# KiCad board ILI9341_ESP32_V1.kicad_pcb
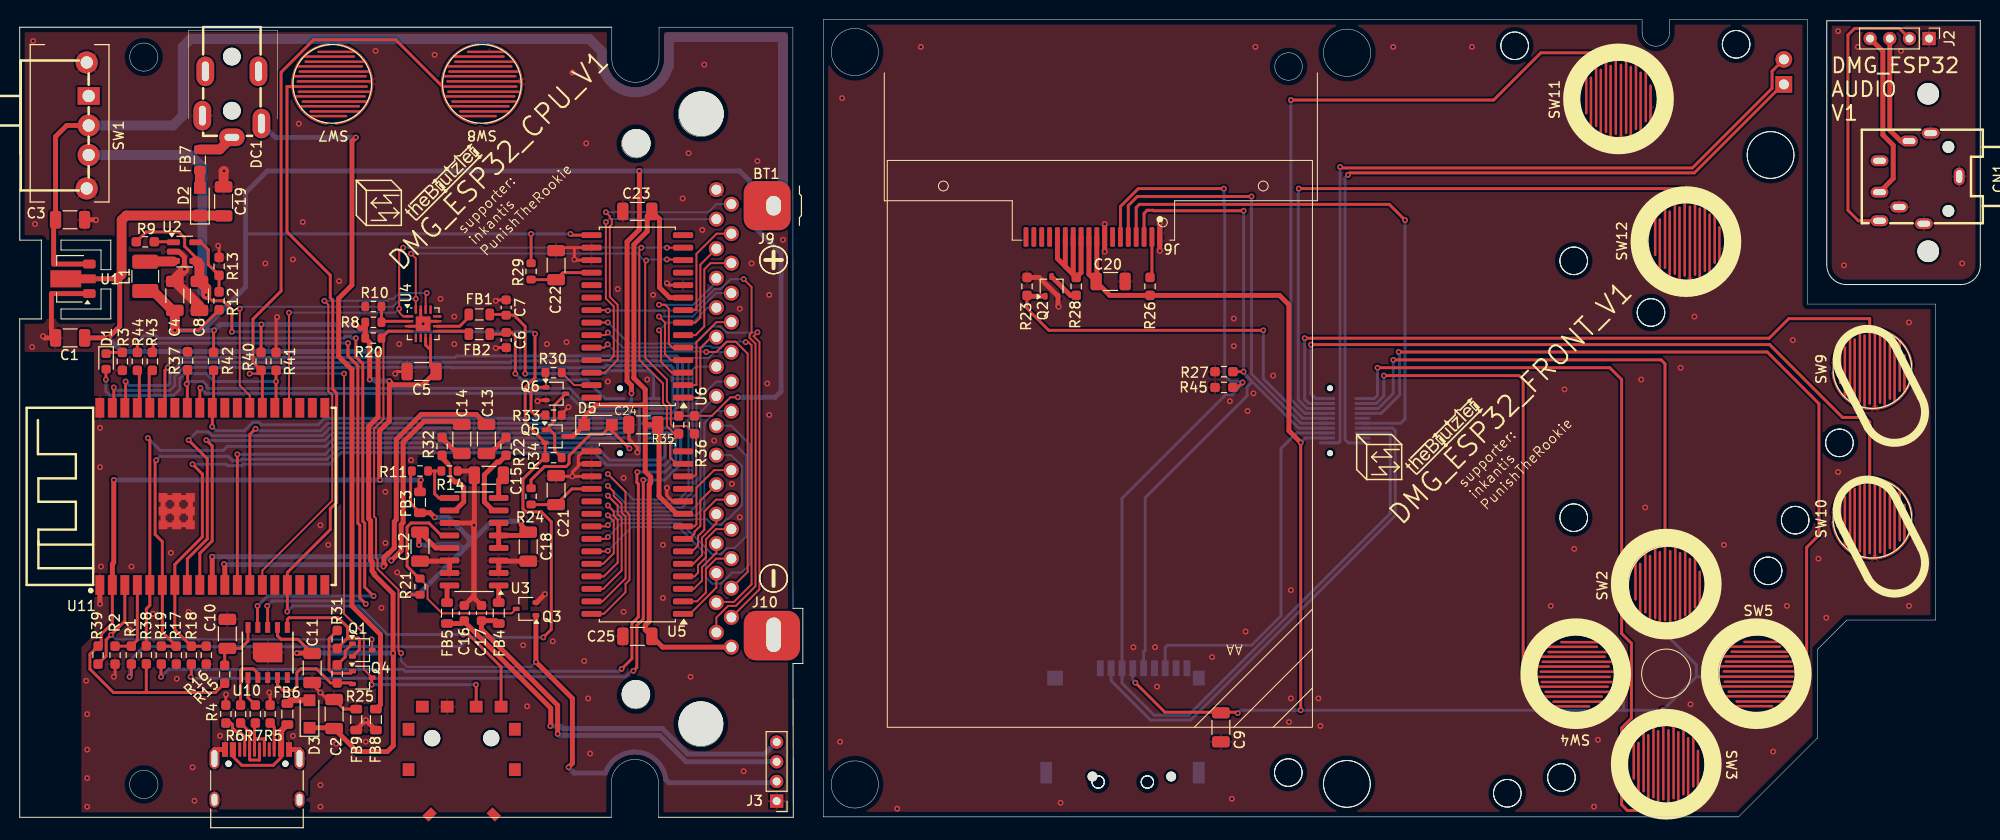
[diagram p0: board, top side]
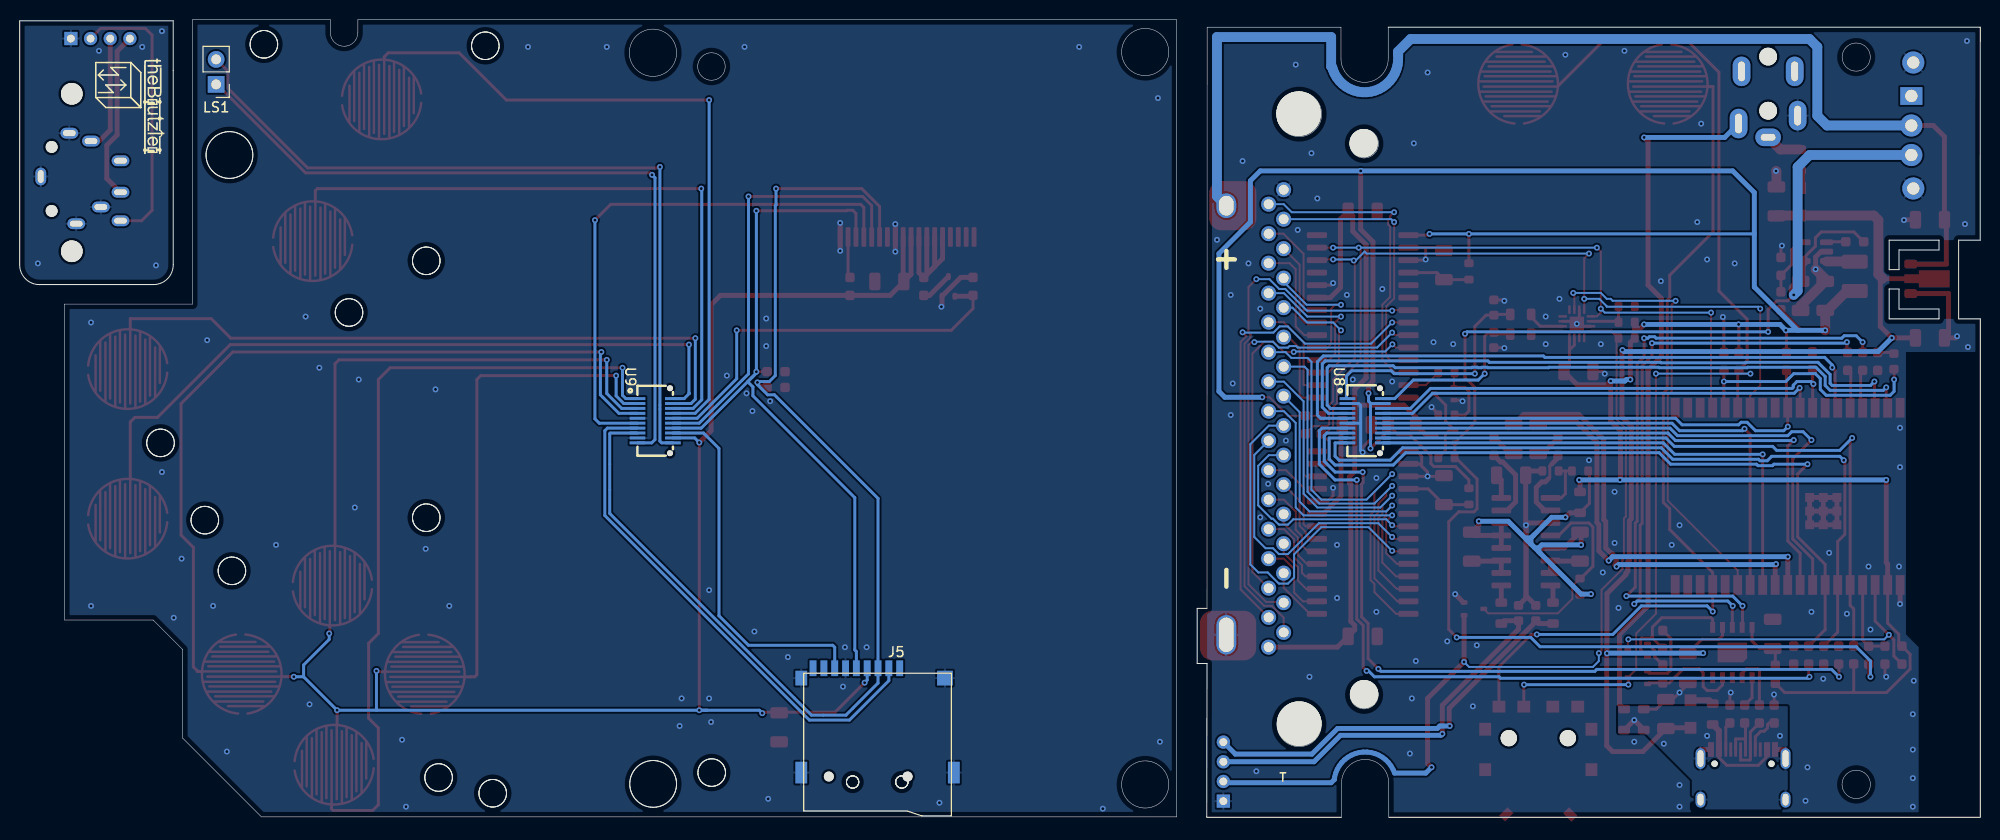
[diagram p1: board, bottom side, seen from below]

Outline 199.21 x 81.04 mm; copper layers: Top, Bottom. Coordinates in mm from the lower left corner of the outline.

## Placement (name value [footprint] x y rotation side)
BT1  Battery_Cell  [BATTERY_AA_SMD_PLUS]  74.83 62.14 270 top
BT2  Battery_Cell  [BATTERY_AA_SMD_MINUS]  76.11 18.44 270 top
C1  4µ7  [C_1206_3216Metric]  5.12 48.71 180 top
C2  4µ7  [C_1206_3216Metric]  31.95 10.49 90 top
C3  4µ7  [C_1206_3216Metric]  5.12 60.71 0 top
C4  4µ7  [C_1206_3216Metric]  15.76 52.98 90 top
C5  4µ7  [C_1206_3216Metric]  40.83 45.29 180 top
C6  220p  [C_0603_1608Metric]  49.44 48.49 270 top
C7  220p  [C_0603_1608Metric]  49.42 51.79 270 top
C8  4µ7  [C_1206_3216Metric]  18.26 52.98 270 top
C9  4µ7  [C_1206_3216Metric]  122.05 9.14 270 top
C10  100n  [C_1206_3216Metric]  21.1 18.64 90 top
C11  4µ7  [C_1206_3216Metric]  29.72 15.17 270 top
C12  4µ7  [C_1206_3216Metric]  40.67 27.5 270 top
C13  100n  [C_1206_3216Metric]  47.42 38.44 270 top
C14  100n  [C_1206_3216Metric]  44.92 38.44 270 top
C15  4µ7  [C_1206_3216Metric]  47.67 34.75 180 top
C16  220p  [C_0603_1608Metric]  45.17 20.75 90 top
C17  220p  [C_0603_1608Metric]  46.92 20.75 270 top
C18  4µ7  [C_1206_3216Metric]  51.67 27.5 270 top
C19  4µ7  [C_1206_3216Metric]  20.72 62.58 90 top
C20  4µ7  [C_1206_3216Metric]  110.85 54.44 0 top
C21  100n  [C_1206_3216Metric]  54.5 33.24 270 top
C22  100n  [C_1206_3216Metric]  54.5 56.1 270 top
C23  4µ7  [C_1206_3216Metric]  62.75 61.56 180 top
C24  4µ7  [C_1206_3216Metric]  63.36 39.88 180 top
C25  4µ7  [C_1206_3216Metric]  62.75 18.38 180 top
CN1  PJ-3043-B  [AUDIO-TH_PJ-3043-B]  193.02 64.91 270 top
D1  LED  [LED_0603_1608Metric]  8.78 46.32 270 top
D2  D  [Nexperia_CFP3_SOD-123W]  18.31 62.54 90 top
D3  D  [Nexperia_CFP3_SOD-123W]  29.45 10.49 90 top
D5  D  [Nexperia_CFP3_SOD-123W]  58.76 39.88 0 top
DC1  DC-011A  [DC-IN-TH_DC-011A]  21.56 72.44 270 top
FB1  FerriteBead_Small  [L_0805_2012Metric]  46.7 51.09 0 top
FB2  FerriteBead_Small  [L_0805_2012Metric]  46.7 49.09 0 top
FB3  FerriteBead_Small  [L_0805_2012Metric]  40.67 32 270 top
FB4  FerriteBead_Small  [L_0805_2012Metric]  48.67 20.75 270 top
FB5  FerriteBead_Small  [L_0805_2012Metric]  43.42 20.75 270 top
FB6  FerriteBead_Small  [L_0805_2012Metric]  27.2 10.49 90 top
FB7  FerriteBead_Small  [L_0805_2012Metric]  18.31 66.79 270 top
FB8  FerriteBead_Small  [L_0805_2012Metric]  36.2 9.93 90 top  (not fitted)
FB9  FerriteBead_Small  [L_0805_2012Metric]  34.2 9.93 90 top
G***  LOGO  [thebrutzler_10mm_mod]  144.61 38.76 45 top
G***#2  LOGO  [thebrutzler_10mm_mod]  42.97 64.58 45 top
G***#3  LOGO  [thebrutzler_10mm_mod]  185.59 72.2 270 bottom
H1  MountingHole  [MountingHole_2.2mm_M2]  193.92 57.51 90 top
H2  MountingHole  [MountingHole_2.2mm_M2]  193.92 73.51 90 top
J1  USB_C_Receptacle_USB2.0_16P  [USB_C_Receptacle_HRO_TYPE-C-31-M-12]  24.11 2.84 0 top
J2  Conn_01x04_Pin  [PinHeader_1x04_P2.00mm_Vertical]  194.01 79.13 270 top
J3  Conn_01x04_Socket  [PinHeader_1x04_P2.00mm_Vertical]  76.91 1.64 180 top
J5  Micro_SD_Card_CD  [MicroSD_Self_ bomb]  112.05 4.14 180 bottom
J6  Conn_01x18_Socket  [solder connector 0.8mm 18 pin]  109.04 58.96 90 top
J7  Conn_01x32  [DMG_01_CARDRIDGE_CONNECTOR]  71.55 39.79 90 top
J9  Conn_01x01_Pin  [NINTENDO_PLUS]  76.61 62.14 180 top
J10  Conn_01x01_Pin  [NINTENDO_MINUS]  76.61 18.54 90 top
L1  2.2µ  [L_1210_3225Metric_Pad1.42x2.65mm_HandSolder]  12.76 54.96 270 top
LS1  Speaker  [PinHeader_1x02_P2.54mm_Vertical]  179.25 74.47 0 bottom
Q1  BC817  [SOT-323_SC-70]  34.81 16.99 0 top
Q2  BC817  [SOT-323_SC-70]  104.85 53.94 90 top
Q3  BC817  [SOT-323_SC-70]  51.45 21.18 180 top
Q4  BC817  [SOT-323_SC-70]  34.81 14.19 0 top
Q5  Q_PMOS_GSD  [SOT-323_SC-70]  54.39 38.7 0 top
Q6  BC817  [SOT-323_SC-70]  54.48 43.04 0 top
R1  100K  [R_0603_1608Metric_Pad0.98x0.95mm_HandSolder]  11.34 16.48 90 top
R2  100K  [R_0603_1608Metric_Pad0.98x0.95mm_HandSolder]  9.69 16.48 270 top
R3  5K1  [R_0603_1608Metric_Pad0.98x0.95mm_HandSolder]  10.43 46.32 270 top
R4  5K1  [R_0603_1608Metric_Pad0.98x0.95mm_HandSolder]  20.95 10.49 270 top
R5  5K1  [R_0603_1608Metric_Pad0.98x0.95mm_HandSolder]  25.45 10.49 90 top
R6  22  [R_0603_1608Metric_Pad0.98x0.95mm_HandSolder]  22.45 10.49 270 top
R7  22  [R_0603_1608Metric_Pad0.98x0.95mm_HandSolder]  23.95 10.49 90 top
R8  5K1  [R_0603_1608Metric]  35.93 50.29 0 top  (not fitted)
R9  5K1  [R_0603_1608Metric_Pad0.98x0.95mm_HandSolder]  12.76 58.48 180 top
R10  5K1  [R_0603_1608Metric]  35.94 51.89 180 top  (not fitted)
R11  5K1  [R_0603_1608Metric]  40.67 35.19 0 top
R12  430K  [R_0603_1608Metric_Pad0.98x0.95mm_HandSolder]  20.26 52.48 90 top
R13  100K  [R_0603_1608Metric_Pad0.98x0.95mm_HandSolder]  20.26 55.98 90 top
R14  5K1  [R_0603_1608Metric]  43.67 35.19 0 top  (not fitted)
R15  5K1  [R_0603_1608Metric_Pad0.98x0.95mm_HandSolder]  20.83 14.53 270 top  (not fitted)
R16  5K1  [R_0603_1608Metric_Pad0.98x0.95mm_HandSolder]  18.96 16.48 270 top
R17  5K1  [R_0603_1608Metric_Pad0.98x0.95mm_HandSolder]  15.91 16.48 270 top
R18  5K1  [R_0603_1608Metric_Pad0.98x0.95mm_HandSolder]  17.44 16.48 270 top
R19  5K1  [R_0603_1608Metric_Pad0.98x0.95mm_HandSolder]  14.39 16.48 270 top
R20  5K1  [R_0603_1608Metric]  35.94 48.69 180 top
R21  5K1  [R_0603_1608Metric]  40.67 23.44 90 top
R22  100K  [R_0603_1608Metric_Pad0.98x0.95mm_HandSolder]  49.42 37.69 270 top
R23  100K  [R_0603_1608Metric_Pad0.98x0.95mm_HandSolder]  102.35 53.94 90 top
R24  5K1  [R_0603_1608Metric]  51.96 32.61 270 top
R25  5K1  [R_0603_1608Metric_Pad0.98x0.95mm_HandSolder]  32.26 14.57 90 top
R26  5K1  [R_0603_1608Metric_Pad0.98x0.95mm_HandSolder]  114.85 53.94 270 top
R27  5K1  [R_0603_1608Metric_Pad0.98x0.95mm_HandSolder]  122.36 45.28 180 top
R28  4R7  [R_0603_1608Metric_Pad0.98x0.95mm_HandSolder]  107.35 53.94 90 top
R29  5K1  [R_0603_1608Metric]  51.96 55.47 270 top
R30  5K1  [R_0603_1608Metric]  54.25 45.18 180 top
R31  5K1  [R_0603_1608Metric_Pad0.98x0.95mm_HandSolder]  32.26 18.07 90 top
R32  100K  [R_0603_1608Metric_Pad0.98x0.95mm_HandSolder]  42.92 37.69 270 top
R33  5K1  [R_0603_1608Metric]  54.25 40.86 0 top
R34  5K1  [R_0603_1608Metric]  54.25 36.54 0 top
R35  5K1  [R_0603_1608Metric_Pad0.98x0.95mm_HandSolder]  66.96 39.88 90 top
R36  5K1  [R_0603_1608Metric_Pad0.98x0.95mm_HandSolder]  68.56 39.88 90 top
R37  5K1  [R_0603_1608Metric_Pad0.98x0.95mm_HandSolder]  17.06 46.38 90 top
R38  5K1  [R_0603_1608Metric_Pad0.98x0.95mm_HandSolder]  12.86 16.5 270 top
R39  5K1  [R_0603_1608Metric_Pad0.98x0.95mm_HandSolder]  7.96 16.48 90 top
R40  5K1  [R_0603_1608Metric_Pad0.98x0.95mm_HandSolder]  24.53 46.32 90 top
R41  5K1  [R_0603_1608Metric_Pad0.98x0.95mm_HandSolder]  26.05 46.32 90 top
R42  5K1  [R_0603_1608Metric_Pad0.98x0.95mm_HandSolder]  19.7 46.32 90 top
R43  22  [R_0603_1608Metric_Pad0.98x0.95mm_HandSolder]  13.48 46.32 90 top
R44  22  [R_0603_1608Metric_Pad0.98x0.95mm_HandSolder]  11.96 46.32 90 top
R45  5K1  [R_0603_1608Metric_Pad0.98x0.95mm_HandSolder]  122.36 43.68 180 top
SM3  SYM_Arrow45_Tiny  [Symbol_kurzschlussblog]  38.78 60.14 90 top
SM3#2  SYM_Arrow45_Tiny  [Symbol_kurzschlussblog]  140.42 34.32 90 top
SM3#3  SYM_Arrow45_Tiny  [Symbol_kurzschlussblog]  191.47 76.69 270 bottom
SW1  SS-12F23-G040  [SW-TH_SS-12F23-G040]  6.91 70.29 270 top
SW2  SW_Push  [RubberpadButton_250µ_250µ]  167.45 23.54 90 top
SW3  SW_Push  [RubberpadButton_250µ_250µ]  167.25 5.34 270 top
SW4  SW_Push  [RubberpadButton_250µ_250µ]  158.05 14.54 180 top
SW5  SW_Push  [RubberpadButton_250µ_250µ]  176.65 14.54 0 top
SW7  SW_Push  [RubberpadButton_250µ_250µ]  31.76 74.52 180 top
SW8  SW_Push  [RubberpadButton_250µ_250µ]  46.96 74.52 180 top
SW9  SW_Push  [RubberpadButton_250µ_250µ]  188.25 45.54 90 top
SW10  SW_Push  [RubberpadButton_250µ_250µ]  188.25 30.34 90 top
SW11  SW_Push  [RubberpadButton_250µ_250µ]  162.45 72.94 90 top
SW12  SW_Push  [RubberpadButton_250µ_250µ]  169.45 58.54 90 top
U1  HE6250xx  [SOT-89-3]  5.12 54.71 180 top
U2  XM5062S  [SOT-23-5]  16.76 57.48 0 top
U3  PAM8406D  [SOP-16_3.9x9.9mm_P1.27mm]  46.17 28 180 top
U4  MAX98357AETE+T  [QFN-16-1EP_3x3mm_P0.5mm_EP1.45x1.45mm]  41 50.14 0 top
U5  MCP23017_SO  [SOIC-28W_7.5x17.9mm_P1.27mm]  62.75 28.92 180 top
U6  MCP23017_SO  [SOIC-28W_7.5x17.9mm_P1.27mm]  62.75 50.89 180 top
U7  -  [02FVS3]  44.91 3.54 180 top
U8  IPCB05501F20S3V  [CONN-SMD_20P-P0.50_INCP_IPCB05501F20S3V]  62.5 40.29 270 bottom
U9  IPCB05501M20S3V  [CONN-SMD_20P-P0.50_INCP_IPCB05501M20S3V]  134.64 40.29 270 bottom
U10  CH340K  [SSOP-10_3.9x4.9mm_P1.00mm_EP_3mmx2mm]  25.2 16.74 90 top
U11  ESP32-WROVER-E-N8R8  [WIFI-SMD_ESP32-WROVER-IE8MB]  19.57 32.61 90 top

## Library data of the parts
BT1 = -: Description: Single-cell battery; LCSC: C964874
BT2 = -: Description: Single-cell battery; LCSC: C964876
C1-C25 = -: ki_fp_filters: C_*
CN1 = -: Datasheet: https://lcsc.com/product-detail/Audio-Video-Connectors_XKB-Connectivity-PJ-3043-B_C2682182.html; LCSC Part: C2682182
D1 = -: Description: Light emitting diode; ki_fp_filters: LED* LED_SMD:* LED_THT:*
D2 D3 D5 = -: Description: Diode; Sim.Pins: 1=K 2=A; LCSC: C5120763; ki_fp_filters: TO-???* *_Diode_* *SingleDiode* D_*
DC1 = -: Datasheet: https://www.lcsc.com/datasheet/lcsc_datasheet_2110111230_XKB-Connection-DC-011A_C480366.pdf; LCSC Part: C480366
FB1-FB9 = -: ki_fp_filters: Inductor_* L_* *Ferrite*
J1 = -: Datasheet: https://www.usb.org/sites/default/files/documents/usb_type-c.zip; Description: USB 2.0-only 16P Type-C Receptacle connector; ki_fp_filters: USB*C*Receptacle*
J2 J3 = -: Description: Generic connector, single row, 01x04, script generated; ki_fp_filters: Connector*:*_1x??_*
J5 = -: Datasheet: https://datasheet.lcsc.com/lcsc/1912111437_SHOU-HAN-TF-PUSH_C393941.pdf; LCSC: C393941; ki_fp_filters: microSD*
J6 = -: Description: Generic connector, single row, 01x18, script generated; ki_fp_filters: Connector*:*_1x??_*
J7 = -: Description: Generic connector, single row, 01x32, script generated (kicad-library-utils/schlib/autogen/connector/); ki_fp_filters: Connector*:*_1x??_*
J9 J10 = -: Description: Generic connector, single row, 01x01, script generated; ki_fp_filters: Connector*:*_1x??_*
L1 = -: ki_fp_filters: Choke_* *Coil* Inductor_* L_*
LS1 = -: LCSC: C391015
Q1-Q4 Q6 = -: Datasheet: https://www.onsemi.com/pub/Collateral/BC818-D.pdf; Description: 0.8A Ic, 45V Vce, NPN Transistor, SOT-23; LCSC: C383187; ki_fp_filters: SOT?23*
Q5 = -: Description: P-MOSFET transistor, gate/source/drain; LCSC: C19078062
R1-R7 R9 R12 R13 R15-R19 R22 R23 R25-R28 R31 R32 R35-R45 = -: ki_fp_filters: R_*
R8 R10 R11 R14 R20 R21 R24 R29 R30 R33 R34 = -: LCSC: C26000; ki_fp_filters: R_*
SW1 = -: LCSC Part: C2848932
U1 = -: Datasheet: https://www.lcsc.com/datasheet/lcsc_datasheet_2007271206_HEERMICR-HE6250MPR_C711940.pdf; Description: 500mA Low Dropout Voltage Regulator, Fixed Output, SOT89; LCSC: C711940; ki_fp_filters: SOT?89*
U2 = -: Datasheet: https://datasheet.lcsc.com/lcsc/2111231130_XySemi-XM5062S-ADJ_C2924930.pdf; LCSC: C2924930; ki_fp_filters: SOT?23*
U3 = -: Datasheet: https://www.diodes.com/assets/Datasheets/PAM8406.pdf; Description: Filterless Class-D / Class-AB Stereo Audio Amplifier, 5.0W, SOIC-16; LCSC: C86270; ki_fp_filters: SOP*3.9x9.9mm*P1.27mm*
U4 = -: Datasheet: https://datasheet.lcsc.com/lcsc/2201242100_Maxim-Integrated-MAX98357AETE-T_C910544.pdf; Description: Audio Amp Speaker 1-CH Mono Class-D 16-Pin TQFN EP T/R; LCSC: C910544
U5 U6 = -: Datasheet: http://ww1.microchip.com/downloads/en/DeviceDoc/20001952C.pdf; Description: 16-bit I/O expander, I2C, interrupts, w pull-ups, SOIC-28; LCSC: C47023; ki_fp_filters: SOIC*7.5x17.9mm*P1.27mm*
U7 = -: Datasheet: https://datasheet.lcsc.com/lcsc/2207281230_Mitsumi-Electric-SIQ-02FVS3_C2925423.pdf; Description: Rotary and Push Encoder; LCSC: C2925423
U8 = -: LCSC Part: C5290330
U9 = -: LCSC Part: C5290329
U10 = -: Datasheet: https://datasheet.lcsc.com/lcsc/2101130932_WCH-Jiangsu-Qin-Heng-CH340K_C968586.pdf; Description: USB serial converter, UART, MSOP-10; LCSC: C968586; ki_fp_filters: MSOP*3x3mm*P0.5mm*
U11 = -: LCSC Part: C2973667

## Footprints (pads in the part's own frame, mm; a bottom-side part is the same pattern mirrored in y, then rotated)
02FVS3
  rect 1.2x1.3 smd: (-5.4,-1.3) (-5.4,-5.4) (5.4,-1.3) (5.4,-5.4)
  rect 0.85x1.2 smd rot 45: (-3.25,3.25)
  round 1.65 hole 1.65 unplated: (-3,-4.5) (3,-4.5)
  rect 0.85x1.2 smd rot 135: (3.25,3.25)
  rect 1.3x1.2 smd: A(-4,-7.7) B(4,-7.7) C(1.475,-7.7) S(-1.475,-7.7)
AUDIO-TH_PJ-3043-B
  round 1.2 hole 1.2 unplated: (-3.2,2.95) (3.3,2.95)
  oval 1.8x1.1 hole 1.3x0.6: 1(-0.2,4.05)
  oval 1.1x1.8 hole 0.6x1.3: 2(1.4,-4.05) 3(-3.8,-1.05) 4(-1.8,-4.05) 5(2.9,-2.05) 6(4.3,-4.05) 8(-4.6,1.15) 8(4.6,0.45)
BATTERY_AA_SMD_MINUS
  rrect 5.04x5.715 smd: 2(-0.02,0.318)
BATTERY_AA_SMD_PLUS
  rrect 5x4.77 smd: 1(0,1.115)
C_0603_1608Metric
  rrect 0.9x0.95 smd: 1(-0.775,0) 2(0.775,0)
C_1206_3216Metric
  rrect 1.15x1.8 smd: 1(-1.475,0) 2(1.475,0)
CONN-SMD_20P-P0.50_INCP_IPCB05501F20S3V
  round 0.6 hole 0.6 unplated: (-3.3,1.5) (3.3,1.5)
  rect 0.3x1.6 smd: 1(-2.25,-1.8) 2(-2.25,1.8) 3(-1.75,-1.8) 4(-1.75,1.8) 5(-1.25,-1.8) 6(-1.25,1.8) 7(-0.75,-1.8) 8(-0.75,1.8) 9(-0.25,-1.8) 10(-0.25,1.8) 11(0.25,-1.8) 12(0.25,1.8) 13(0.75,-1.8) 14(0.75,1.8) 15(1.25,-1.8) 16(1.25,1.8) 17(1.75,-1.8) 18(1.75,1.8) 19(2.25,-1.8) 20(2.25,1.8)
CONN-SMD_20P-P0.50_INCP_IPCB05501M20S3V
  round 0.6 hole 0.6 unplated: (-3.3,1.5) (3.3,1.5)
  rect 0.3x1.6 smd: 1(-2.25,-1.8) 2(-2.25,1.8) 3(-1.75,-1.8) 4(-1.75,1.8) 5(-1.25,-1.8) 6(-1.25,1.8) 7(-0.75,-1.8) 8(-0.75,1.8) 9(-0.25,-1.8) 10(-0.25,1.8) 11(0.25,-1.8) 12(0.25,1.8) 13(0.75,-1.8) 14(0.75,1.8) 15(1.25,-1.8) 16(1.25,1.8) 17(1.75,-1.8) 18(1.75,1.8) 19(2.25,-1.8) 20(2.25,1.8)
DC-IN-TH_DC-011A
  round 1.8 hole 1.8 unplated: (-4.85,0) (0.65,0)
  oval 3x1.8 hole 2x0.7: 1(1.95,3) 3(1.15,-3) 4(-3.35,-2.7) 5(-3.35,2.7)
  oval 1.8x2.6 hole 0.7x1.5: 2(3.35,0)
DMG_01_CARDRIDGE_CONNECTOR
  round 4.527 hole 4.527 unplated: (-30.277,2.337) (31.699,2.286)
  round 2.877 hole 2.877 unplated: (-27.28,8.941) (28.702,8.89)
  round 1.524 hole 1: 1(-22.504,-0.762) 2(-21.006,0.762) 3(-19.482,-0.762) 4(-17.983,0.762) 5(-16.51,-0.762) 6(-14.986,0.762) 7(-13.513,-0.762) 8(-11.989,0.762) 9(-10.516,-0.762) 10(-8.992,0.762) 11(-7.518,-0.762) 12(-5.994,0.762) 13(-4.521,-0.762) 14(-2.997,0.762) 15(-1.524,-0.762) 16(0,0.762) 17(1.473,-0.762) 18(2.997,0.762) 19(4.47,-0.762) 20(5.994,0.762) 21(7.468,-0.762) 22(8.992,0.762) 23(10.516,-0.762) 24(11.989,0.762) 25(13.462,-0.762) 26(14.986,0.762) 27(16.51,-0.762) 28(17.983,0.762) 29(19.507,-0.762) 30(20.98,0.762) 31(22.504,-0.762) 32(23.978,0.762)
L_0805_2012Metric
  rrect 0.875x1.2 smd: 1(-1.062,0) 2(1.062,0)
L_1210_3225Metric_Pad1.42x2.65mm_HandSolder
  rrect 1.425x2.65 smd: 1(-1.488,0) 2(1.488,0)
LED_0603_1608Metric
  rrect 0.875x0.95 smd: 1(-0.788,0) 2(0.788,0)
MicroSD_Self_ bomb
  round 1 hole 1 unplated: (-4.95,0) (3.05,0)
  rect 0.7x1.6 smd: 1(2.25,11) 2(1.15,11) 3(0.05,11) 4(-1.05,11) 5(-2.15,11) 6(-3.25,11) 7(-4.35,11) 8(-5.45,11) CD(-6.55,11)
  rect 1.2x2.2 smd: G(-7.75,0.4) G(7.75,0.4)
  rect 1.2x1.5 smd: G(-7.75,10)
  rect 1.6x1.5 smd: G(6.85,10)
MountingHole_2.2mm_M2
  round 2.2 hole 2.2 unplated: (0,0)
Nexperia_CFP3_SOD-123W
  rect 1.2x1.2 smd: 1(-1.4,0) 2(1.4,0)
NINTENDO_MINUS
  oval 4x2 hole 3.5x1.5: 1(0,0)
NINTENDO_PLUS
  oval 2x2.5 hole 1.5x2: 1(0,0)
PinHeader_1x02_P2.54mm_Vertical
  rect 1.7x1.7 hole 1: 1(0,0)
  oval 1.7x1.7 hole 1: 2(0,-2.54)
PinHeader_1x04_P2.00mm_Vertical
  rect 1.35x1.35 hole 0.8: 1(0,0)
  oval 1.35x1.35 hole 0.8: 2(0,-2) 3(0,-4) 4(0,-6)
QFN-16-1EP_3x3mm_P0.5mm_EP1.45x1.45mm
  rrect 0.58x0.58 smd: (-0.36,0.36) (-0.36,-0.36) (0.36,0.36) (0.36,-0.36)
  rrect 0.875x0.25 smd: 1(-1.438,0.75) 2(-1.438,0.25) 3(-1.438,-0.25) 4(-1.438,-0.75) 9(1.438,-0.75) 10(1.438,-0.25) 11(1.438,0.25) 12(1.438,0.75)
  rrect 0.25x0.875 smd: 5(-0.75,-1.438) 6(-0.25,-1.438) 7(0.25,-1.438) 8(0.75,-1.438) 13(0.75,1.438) 14(0.25,1.438) 15(-0.25,1.438) 16(-0.75,1.438)
  rect 1.45x1.45 smd: 17(0,0)
R_0603_1608Metric
  rrect 0.8x0.95 smd: 1(-0.825,0) 2(0.825,0)
R_0603_1608Metric_Pad0.98x0.95mm_HandSolder
  rrect 0.975x0.95 smd: 1(-0.912,0) 2(0.912,0)
RubberpadButton_250µ_250µ
  custom 7.795x8.278 smd: 1(-4,-0.25) 2(4,0.275)
SOIC-28W_7.5x17.9mm_P1.27mm
  rrect 2.05x0.6 smd: 1(-4.65,8.255) 2(-4.65,6.985) 3(-4.65,5.715) 4(-4.65,4.445) 5(-4.65,3.175) 6(-4.65,1.905) 7(-4.65,0.635) 8(-4.65,-0.635) 9(-4.65,-1.905) 10(-4.65,-3.175) 11(-4.65,-4.445) 12(-4.65,-5.715) 13(-4.65,-6.985) 14(-4.65,-8.255) 15(4.65,-8.255) 16(4.65,-6.985) 17(4.65,-5.715) 18(4.65,-4.445) 19(4.65,-3.175) 20(4.65,-1.905) 21(4.65,-0.635) 22(4.65,0.635) 23(4.65,1.905) 24(4.65,3.175) 25(4.65,4.445) 26(4.65,5.715) 27(4.65,6.985) 28(4.65,8.255)
solder connector 0.8mm 18 pin
  rrect 2x0.5 smd: 1(0,-6.8) 2(0,-6) 3(0,-5.2) 4(0,-4.4) 5(0,-3.6) 6(0,-2.8) 7(0,-2) 8(0,-1.2) 9(0,-0.4) 10(0,0.4) 11(0,1.2) 12(0,2) 13(0,2.8) 14(0,3.6) 15(0,4.4) 16(0,5.2) 17(0,6) 18(0,6.8)
SOP-16_3.9x9.9mm_P1.27mm
  rrect 2x0.6 smd: 1(-2.5,4.445) 2(-2.5,3.175) 3(-2.5,1.905) 4(-2.5,0.635) 5(-2.5,-0.635) 6(-2.5,-1.905) 7(-2.5,-3.175) 8(-2.5,-4.445) 9(2.5,-4.445) 10(2.5,-3.175) 11(2.5,-1.905) 12(2.5,-0.635) 13(2.5,0.635) 14(2.5,1.905) 15(2.5,3.175) 16(2.5,4.445)
SOT-23-5
  rrect 1.325x0.6 smd: 1(-1.137,0.95) 2(-1.137,0) 3(-1.137,-0.95) 4(1.137,-0.95) 5(1.137,0.95)
SOT-89-3
  rrect 1.3x0.9 smd: 1(-1.95,1.5) 3(-1.95,-1.5)
  custom 4.6x1.733 smd: 2(-1.862,0)
SOT-323_SC-70
  rrect 0.7x0.45 smd: 1(-1,0.65) 2(-1,-0.65) 3(1,0)
SSOP-10_3.9x4.9mm_P1.00mm_EP_3mmx2mm
  rect 1.1x0.51 smd: 1(-2.55,2) 2(-2.55,1) 3(-2.55,0) 4(-2.55,-1) 5(-2.55,-2) 6(2.55,-2) 7(2.55,-1) 8(2.55,0) 9(2.55,1) 10(2.55,2)
  rrect 2x3 smd: PAD(0,0)
SW-TH_SS-12F23-G040
  rect 1.8x2.25 hole 1.25: 1(-3,0.1)
  round 2.25 hole 1.25: 2(0,0.1) 3(3,0.1) 4(6.4,-0.1) 5(-6.4,-0.1)
USB_C_Receptacle_HRO_TYPE-C-31-M-12
  round 0.65 hole 0.65 unplated: (-2.89,2.6) (2.89,2.6)
  rect 0.6x1.45 smd: A1(-3.25,4.045) A4(-2.45,4.045) A9(2.45,4.045) A12(3.25,4.045) B1(3.25,4.045) B4(2.45,4.045) B9(-2.45,4.045) B12(-3.25,4.045)
  rect 0.3x1.45 smd: A5(-1.25,4.045) A6(-0.25,4.045) A7(0.25,4.045) A8(1.25,4.045) B5(1.75,4.045) B6(0.75,4.045) B7(-0.75,4.045) B8(-1.75,4.045)
  oval 1x2.1 hole 0.6x1.7: S1(-4.32,3.13) S1(4.32,3.13)
  oval 1x1.6 hole 0.6x1.2: S1(-4.32,-1.05) S1(4.32,-1.05)
WIFI-SMD_ESP32-WROVER-IE8MB
  rect 2x0.9 smd: 1(-9,11.43) 2(-9,10.16) 3(-9,8.89) 4(-9,7.62) 5(-9,6.35) 6(-9,5.08) 7(-9,3.81) 8(-9,2.54) 9(-9,1.27) 10(-9,0) 11(-9,-1.27) 12(-9,-2.54) 13(-9,-3.81) 14(-9,-5.08) 15(-9,-6.35) 16(-9,-7.62) 17(-9,-8.89) 18(-9,-10.16) 19(-9,-11.43) 20(9,-11.43) 21(9,-10.16) 22(9,-8.89) 23(9,-7.62) 24(9,-6.35) 25(9,-5.08) 26(9,-3.81) 27(9,-2.54) 28(9,-1.27) 29(9,0) 30(9,1.27) 31(9,2.54) 32(9,3.81) 33(9,5.08) 34(9,6.35) 35(9,7.62) 36(9,8.89) 37(9,10.16) 38(9,11.43)
  rect 0.9x0.9 smd: 39(-2.89,5.01) 39(-2.89,3.62) 39(-2.89,2.23) 39(-1.5,5.01) 39(-1.5,3.62) 39(-1.5,2.23) 39(-0.11,5.01) 39(-0.11,3.62) 39(-0.11,2.23)

## Nets
+3V3: C4.1 C5.1 D5.2 FB3.1 L1.2 R8.1 R12.1 R15.2 R20.2 R24.1 R29.1 R35.2 R36.2 R38.2 R39.2 R40.2 R42.2 U4.7 U4.8 U6.15 U8.4 U11.2
/FRONT_BUTTONS/3V3: C9.1 C20.1 J5.4 J6.9 J6.10 R26.2 SW2.1 SW3.1 SW4.1 SW5.1 U9.18
GND: BT2.2 C1.2 C2.2 C3.2 C4.2 C5.2 C6.2 C7.1 C8.2 C10.2 C11.2 C12.2 C15.2 C16.2 C17.1 C18.2 C19.2 C21.1 C22.1 C23.2 C24.2 C25.2 DC1.3 FB9.2 J3.1 J7.32 J10.1 Q3.2 Q6.2 R2.2 R3.2 R4.1 R5.2 R10.2 R13.2 R14.2 R16.2 R17.2 R33.2 R37.2 R41.2 SW1.4 SW1.5 SW7.1 SW8.1 U1.1 U2.2 U3.2 U3.3 U3.11 U3.14 U3.15 U4.3 U4.11 U4.15 U4.17 U5.10 U5.15 U5.16 U5.17 U6.10 U6.16 U6.17 U7.C U8.3 U8.11 U10.3 U10.PAD U11.1 U11.15 U11.38 U11.39
/AUDIO/AUDIO_LEFT: C17.2 FB4.2 J3.3
/AUDIO/AUDIO_RIGHT: C16.1 FB5.2 J3.4
/CLK: U8.8 U11.30
/D+: R7.2 U10.1
/D-: R6.1 U10.2
/DC_JACK: DC1.1 FB8.2
/DMG_CARD/CARD_A0: J7.6 U5.1
/DMG_CARD/CARD_A1: J7.7 U5.2
/DMG_CARD/CARD_A2: J7.8 U5.3
/DMG_CARD/CARD_A3: J7.9 U5.4
/DMG_CARD/CARD_A4: J7.10 U5.5
/DMG_CARD/CARD_A5: J7.11 U5.6
/DMG_CARD/CARD_A6: J7.12 U5.7
/DMG_CARD/CARD_A7: J7.13 U5.8
/DMG_CARD/CARD_A8: J7.14 U5.21
/DMG_CARD/CARD_A9: J7.15 U5.22
/DMG_CARD/CARD_A10: J7.16 U5.23
/DMG_CARD/CARD_A11: J7.17 U5.24
/DMG_CARD/CARD_A12: J7.18 U5.25
/DMG_CARD/CARD_A13: J7.19 U5.26
/DMG_CARD/CARD_A14: J7.20 U5.27
/DMG_CARD/CARD_A15: J7.21 U5.28
/DMG_CARD/CARD_CLK: J7.2 U6.21
/DMG_CARD/CARD_D0: J7.22 U6.1
/DMG_CARD/CARD_D1: J7.23 U6.2
/DMG_CARD/CARD_D2: J7.24 U6.3
/DMG_CARD/CARD_D3: J7.25 U6.4
/DMG_CARD/CARD_D4: J7.26 U6.5
/DMG_CARD/CARD_D5: J7.27 U6.6
/DMG_CARD/CARD_D6: J7.28 U6.7
/DMG_CARD/CARD_D7: J7.29 U6.8
/DMG_CARD/CARD_VCC: C23.1 C24.1 C25.1 D5.1 J7.1 Q5.3 U5.9 U6.9
/DMG_CARD/CARD_VIN: J7.31 U6.26
/DMG_CARD/CARD_VOLTAGE: Q5.1 Q6.3 R34.2
/DMG_CARD/CARD_~{CS}: J7.5 U6.24
/DMG_CARD/CARD_~{RD}: J7.4 U6.23
/DMG_CARD/CARD_~{RES}: J7.30 U6.25
/DMG_CARD/CARD_~{WR}: J7.3 U6.22
/DTR: Q4.2 R25.1 U10.4
/EN: Q1.3 R39.1 U11.3
/FRONT_BUTTONS/A: SW11.2 U9.8
/FRONT_BUTTONS/B: SW12.2 U9.6
/FRONT_BUTTONS/CLK: J5.5 J6.3 R27.1 U9.14
/FRONT_BUTTONS/DOWN: SW5.2 U9.7
/FRONT_BUTTONS/F_GND: C9.2 C20.2 J5.6 J5.G J6.1 J6.8 Q2.2 R23.2 R27.2 R45.2 SW9.1 SW10.1 SW11.1 SW12.1 U9.9 U9.17
/FRONT_BUTTONS/LCD_BCKL: Q2.1 R23.1 U9.10
/FRONT_BUTTONS/LCD_DC: J6.4 U9.11
/FRONT_BUTTONS/LCD_~{CS}: J6.5 U9.12
/FRONT_BUTTONS/LEFT: SW3.2 U9.1
/FRONT_BUTTONS/MOSI: J5.3 J6.6 R45.1 U9.15
/FRONT_BUTTONS/RIGHT: SW2.2 U9.5
/FRONT_BUTTONS/SD_MISO: J5.7 U9.16
/FRONT_BUTTONS/SD_~{CS}: J5.2 U9.13
/FRONT_BUTTONS/SELECT: SW10.2 U9.2
/FRONT_BUTTONS/SPK+: LS1.2 U9.20
/FRONT_BUTTONS/SPK-: LS1.1 U9.19
/FRONT_BUTTONS/START: SW9.2 U9.4
/FRONT_BUTTONS/UP: SW4.2 U9.3
/I2C_CLK: R36.1 U4.16 U5.12 U6.12 U11.26
/I2C_SDA: R35.1 U4.1 U5.13 U6.13 U11.23
/I2S_EN: J3.2 Q3.1 R20.1 U4.4
/I2S_WS: U4.14 U11.14
/KEY_A: U8.14 U11.8
/KEY_B: U8.16 U11.9
/KEY_DOWN: R18.2 U8.13
/KEY_LEFT: R17.1 R19.1 U8.19 U11.6
/KEY_MENU: SW7.2 U7.A U11.16
/KEY_OPTION: Q4.3 R40.1 SW8.2 U7.S U11.25
/KEY_RIGHT: R19.2 U8.15
/KEY_SELECT: U8.20 U11.12
/KEY_START: R38.1 U8.18 U11.5
/KEY_UP: R16.1 R18.1 U8.17 U11.7
/LCD_BCKL: U8.12 U11.13
/LCD_DC: U8.9 U11.33
/LCD_~{CS}: R42.1 U8.10 U11.29
/LED: D1.2 R41.1 U11.24